# KiCad board poly_kb_molecule_16x5.kicad_pcb (continued)
## Routing (per net, layer and track width the routed paths; a pad name or vN(x,y) marks a point on that pad's centre or on a via; arc(x,y) is an arc through that point) (continued)
/Keyboard/sheet605ED2EB/LED_DIN: length 2020.9
  Top w0.254: 36.83,30.58 36.3,31.1 v1(35,31.1) ; v1(50.64,55.51) 50.51,55.51 50.29,55.74 49.39,55.74 48.99,56.13 ; 93.98,87.72 93.46,88.25 v1(92.15,88.25) ; v1(69.69,17.41) 69.56,17.41 69.34,17.64 68.44,17.64 68.04,18.03 ; v1(23.01,29.76) 20.88,29.76 J3#28.4 ; J3#43.4 154.23,67.86 v1(156.36,67.86) ; v1(69.69,55.51) 69.56,55.51 69.34,55.74 68.44,55.74 68.04,56.13 ; v1(126.84,55.51) 126.71,55.51 126.49,55.74 125.59,55.74 125.19,56.13 ; 48.99,94.23 49.39,93.84 50.29,93.84 50.51,93.61 v1(50.64,93.61) ; LED1#57.2 103.31,54.35 v1(102.4,54.35) ; v1(273.85,54.35) 274.75,54.35 LED1#14.2 ; 29.94,75.19 30.34,74.79 31.24,74.79 31.46,74.56 v1(31.59,74.56) ; v1(118.26,29.76) 116.13,29.76 J3#49.4 ; 239.49,94.23 239.89,93.84 240.79,93.84 241.01,93.61 v1(241.14,93.61) ; 170.18,49.62 169.66,50.15 v1(168.35,50.15) ; 208.28,68.67 207.75,69.2 v1(206.45,69.2) ; v1(15.95,88.25) 17.25,88.25 17.78,87.72 ; v1(137.31,86.91) 135.18,86.91 J3#51.4 ; v1(159.55,35.3) 160.46,35.3 LED1#39.2 ; 227.33,49.62 226.81,50.15 v1(225.5,50.15) ; v1(140.5,92.45) 141.41,92.45 LED1#9.2 ; J3#30.4 20.88,67.86 v1(23.01,67.86) ; LED1#58.2 236.65,16.25 v1(235.75,16.25) ; J3#58.4 39.93,29.76 v1(42.06,29.76) ; v1(80.16,48.81) 78.03,48.81 J3#79.4 ; J3#19.4 230.43,67.86 v1(232.56,67.86) ; 182.34,37.08 182.74,36.69 183.64,36.69 183.86,36.46 v1(183.99,36.46) ; 144.24,94.23 144.64,93.84 145.54,93.84 145.76,93.61 v1(145.89,93.61) ; v1(130.25,31.1) 131.56,31.1 132.08,30.58 ; v1(12.54,17.41) 12.41,17.41 12.19,17.64 11.29,17.64 10.89,18.03 ; 296.64,75.19 297.04,74.79 297.94,74.79 298.16,74.56 v1(298.29,74.56) ; v1(203.04,93.61) 202.91,93.61 202.69,93.84 201.79,93.84 201.39,94.23 ; v1(42.06,86.91) 39.93,86.91 J3#77.4 ; 36.83,68.67 36.3,69.2 v1(35,69.2) ; J3#64.4 154.23,48.81 v1(156.36,48.81) ; 87.09,37.08 87.49,36.69 88.39,36.69 88.61,36.46 v1(88.74,36.46) ; v1(137.31,10.71) 135.18,10.71 J3#66.4 ; LED1#24.2 198.56,73.4 v1(197.65,73.4) ; LED1#37.2 141.41,35.3 v1(140.5,35.3) ; v1(31.59,55.51) 31.46,55.51 31.24,55.74 30.34,55.74 29.94,56.13 ; v1(187.4,50.15) 188.71,50.15 189.23,49.62 ; LED1#41.2 65.2,92.45 v1(64.3,92.45) ; 201.39,37.08 201.79,36.69 202.69,36.69 202.91,36.46 v1(203.04,36.46) ; v1(232.56,86.91) 230.43,86.91 J3#13.4 ; v1(168.35,12.05) 169.66,12.05 170.18,11.53 ; v1(270.66,29.76) 268.53,29.76 J3#37.4 ; 220.44,37.08 220.84,36.69 221.74,36.69 221.96,36.46 v1(222.09,36.46) ; J3#34.4 268.53,48.81 v1(270.66,48.81) ; v1(73.1,88.25) 74.41,88.25 74.93,87.72 ; v1(35,50.15) 36.3,50.15 36.83,49.62 ; 106.14,56.13 106.54,55.74 107.44,55.74 107.66,55.51 v1(107.79,55.51) ; 246.38,68.67 245.86,69.2 v1(244.55,69.2) ; v1(213.51,86.91) 211.38,86.91 J3#70.4 ; v1(183.99,93.61) 183.86,93.61 183.64,93.84 182.74,93.84 182.34,94.23 ; v1(194.46,10.71) 192.33,10.71 J3#16.4 ; J3#6.4 20.88,48.81 v1(23.01,48.81) ; LED1#11.2 65.2,54.35 v1(64.3,54.35) ; v1(183.99,74.56) 183.86,74.56 183.64,74.79 182.74,74.79 182.34,75.19 ; 189.23,68.67 188.71,69.2 v1(187.4,69.2) ; 163.29,56.13 163.69,55.74 164.59,55.74 164.81,55.51 v1(164.94,55.51) ; LED1#10.2 103.31,16.25 v1(102.4,16.25) ; v1(279.24,36.46) 279.11,36.46 278.89,36.69 277.99,36.69 277.59,37.08 ; v1(156.36,29.76) 154.23,29.76 J3#8.4 ; v1(7.15,92.45) 8.05,92.45 LED1.2 ; 74.93,30.58 74.41,31.1 v1(73.1,31.1) ; v1(156.36,86.91) 154.23,86.91 J3#23.4 ; 74.93,11.53 74.41,12.05 v1(73.1,12.05) ; 189.23,11.53 188.71,12.05 v1(187.4,12.05) ; 258.54,37.08 258.94,36.69 259.84,36.69 260.06,36.46 v1(260.19,36.46) ; J3#71.4 154.23,10.71 v1(156.36,10.71) ; v1(222.09,74.56) 221.96,74.56 221.74,74.79 220.84,74.79 220.44,75.19 ; v1(159.55,73.4) 160.46,73.4 LED1#7.2 ; v1(26.2,35.3) 27.1,35.3 LED1#43.2 ; v1(213.51,10.71) 211.38,10.71 J3#54.4 ; LED1#42.2 217.6,35.3 v1(216.7,35.3) ; v1(61.11,10.71) 58.98,10.71 J3#52.4 ; v1(241.14,36.46) 241.01,36.46 240.79,36.69 239.89,36.69 239.49,37.08 ; v1(292.9,35.3) 293.81,35.3 LED1#18.2 ; v1(251.61,48.81) 249.48,48.81 J3#80.4 ; v1(175.41,29.76) 173.28,29.76 J3#35.4 ; v1(178.6,73.4) 179.5,73.4 LED1#51.2 ; v1(159.55,16.25) 160.46,16.25 LED1#40.2 ; v1(92.15,12.05) 93.46,12.05 93.98,11.53 ; J3#20.4 1.83,48.81 v1(3.96,48.81) ; J3#69.4 135.18,48.81 v1(137.31,48.81) ; v1(301.7,12.05) 303,12.05 303.53,11.53 ; v1(178.6,54.35) 179.5,54.35 LED1#78.2 ; v1(137.31,29.76) 135.18,29.76 J3#11.4 ; 17.78,49.62 17.25,50.15 v1(15.95,50.15) ; 113.03,11.53 112.5,12.05 v1(111.2,12.05) ; 151.13,68.67 150.6,69.2 v1(149.3,69.2) ; 258.54,56.13 258.94,55.74 259.84,55.74 260.06,55.51 v1(260.19,55.51) ; v1(83.35,35.3) 84.25,35.3 LED1#36.2 ; 208.28,30.58 207.75,31.1 v1(206.45,31.1) ; v1(222.09,55.51) 221.96,55.51 221.74,55.74 220.84,55.74 220.44,56.13 ; LED1#34.2 8.05,16.25 v1(7.15,16.25) ; 284.48,11.53 283.95,12.05 v1(282.65,12.05) ; J3#39.4 211.38,67.86 v1(213.51,67.86) ; J3#45.4 58.98,86.91 v1(61.11,86.91) ; 68.04,94.23 68.44,93.84 69.34,93.84 69.56,93.61 v1(69.69,93.61) ; v1(31.59,36.46) 31.46,36.46 31.24,36.69 30.34,36.69 29.94,37.08 ; LED1#61.2 217.6,16.25 v1(216.7,16.25) ; LED1#48.2 274.75,16.25 v1(273.85,16.25) ; v1(251.61,67.86) 249.48,67.86 J3#72.4 ; LED1#76.2 179.5,16.25 v1(178.6,16.25) ; v1(298.29,36.46) 298.16,36.46 297.94,36.69 297.04,36.69 296.64,37.08 ; J3#53.4 192.33,86.91 v1(194.46,86.91) ; LED1#71.2 8.05,73.4 v1(7.15,73.4) ; v1(145.89,17.41) 145.76,17.41 145.54,17.64 144.64,17.64 144.24,18.03 ; v1(197.65,92.45) 198.56,92.45 LED1#65.2 ; LED1#75.2 236.65,35.3 v1(235.75,35.3) ; v1(83.35,16.25) 84.25,16.25 LED1#3.2 ; v1(194.46,48.81) 192.33,48.81 J3#24.4 ; v1(61.11,48.81) 58.98,48.81 J3#46.4 ; v1(292.9,16.25) 293.81,16.25 LED1#20.2 ; v1(254.8,35.3) 255.7,35.3 LED1#6.2 ; v1(244.55,31.1) 245.86,31.1 246.38,30.58 ; v1(118.26,86.91) 116.13,86.91 J3#65.4 ; v1(194.46,67.86) 192.33,67.86 J3#76.4 ; v1(80.16,86.91) 78.03,86.91 J3#32.4 ; LED1#28.2 141.41,54.35 v1(140.5,54.35) ; 163.29,75.19 163.69,74.79 164.59,74.79 164.81,74.56 v1(164.94,74.56) ; v1(3.96,67.86) 1.83,67.86 J3#31.4 ; v1(206.45,50.15) 207.75,50.15 208.28,49.62 ; v1(216.7,54.35) 217.6,54.35 LED1#54.2 ; LED1#52.2 122.35,35.3 v1(121.45,35.3) ; LED1#80.2 27.1,92.45 v1(26.2,92.45) ; v1(183.99,17.41) 183.86,17.41 183.64,17.64 182.74,17.64 182.34,18.03 ; v1(126.84,36.46) 126.71,36.46 126.49,36.69 125.59,36.69 125.19,37.08 ; LED1#59.2 198.56,16.25 v1(197.65,16.25) ; v1(15.95,69.2) 17.25,69.2 17.78,68.67 ; LED1#17.2 179.5,35.3 v1(178.6,35.3) ; v1(149.3,88.25) 150.6,88.25 151.13,87.72 ; v1(168.35,69.2) 169.66,69.2 170.18,68.67 ; 74.93,68.67 74.41,69.2 v1(73.1,69.2) ; 113.03,49.62 112.5,50.15 v1(111.2,50.15) ; J3#36.4 173.28,48.81 v1(175.41,48.81) ; 17.78,30.58 17.25,31.1 v1(15.95,31.1) ; v1(45.25,16.25) 46.16,16.25 LED1#33.2 ; 208.28,87.72 207.75,88.25 v1(206.45,88.25) ; LED1#60.2 160.46,92.45 v1(159.55,92.45) ; v1(260.19,17.41) 260.06,17.41 259.84,17.64 258.94,17.64 258.54,18.03 ; 87.09,18.03 87.49,17.64 88.39,17.64 88.61,17.41 v1(88.74,17.41) ; 93.98,30.58 93.46,31.1 v1(92.15,31.1) ; 265.43,11.53 264.9,12.05 v1(263.6,12.05) ; v1(298.29,17.41) 298.16,17.41 297.94,17.64 297.04,17.64 296.64,18.03 ; v1(203.04,55.51) 202.91,55.51 202.69,55.74 201.79,55.74 201.39,56.13 ; J3#41.4 135.18,67.86 v1(137.31,67.86) ; LED1#72.2 236.65,92.45 v1(235.75,92.45) ; v1(251.61,10.71) 249.48,10.71 J3#5.4 ; 106.14,75.19 106.54,74.79 107.44,74.79 107.66,74.56 v1(107.79,74.56) ; v1(121.45,92.45) 122.35,92.45 LED1#56.2 ; LED1#45.2 46.16,92.45 v1(45.25,92.45) ; v1(26.2,16.25) 27.1,16.25 LED1#74.2 ; 106.14,37.08 106.54,36.69 107.44,36.69 107.66,36.46 v1(107.79,36.46) ; v1(203.04,17.41) 202.91,17.41 202.69,17.64 201.79,17.64 201.39,18.03 ; 36.83,11.53 36.3,12.05 v1(35,12.05) ; v1(64.3,35.3) 65.2,35.3 LED1#4.2 ; v1(42.06,10.71) 39.93,10.71 J3#9.4 ; v1(3.96,86.91) 1.83,86.91 J3.4 ; LED1#47.2 255.7,92.45 v1(254.8,92.45) ; v1(178.6,92.45) 179.5,92.45 LED1#30.2 ; LED1#38.2 141.41,73.4 v1(140.5,73.4) ; v1(31.59,93.61) 31.46,93.61 31.24,93.84 30.34,93.84 29.94,94.23 ; 125.19,75.19 125.59,74.79 126.49,74.79 126.71,74.56 v1(126.84,74.56) ; LED1#16.2 103.31,92.45 v1(102.4,92.45) ; 68.04,37.08 68.44,36.69 69.34,36.69 69.56,36.46 v1(69.69,36.46) ; v1(99.21,86.91) 97.08,86.91 J3#73.4 ; v1(263.6,50.15) 264.9,50.15 265.43,49.62 ; J3#40.4 20.88,86.91 v1(23.01,86.91) ; v1(99.21,48.81) 97.08,48.81 J3#55.4 ; v1(80.16,29.76) 78.03,29.76 J3#12.4 ; v1(244.55,88.25) 245.86,88.25 246.38,87.72 ; v1(12.54,36.46) 12.41,36.46 12.19,36.69 11.29,36.69 10.89,37.08 ; v1(83.35,92.45) 84.25,92.45 LED1#73.2 ; v1(194.46,29.76) 192.33,29.76 J3#63.4 ; v1(270.66,86.91) 268.53,86.91 J3#15.4 ; 239.49,75.19 239.89,74.79 240.79,74.79 241.01,74.56 v1(241.14,74.56) ; v1(92.15,69.2) 93.46,69.2 93.98,68.67 ; v1(118.26,10.71) 116.13,10.71 J3#25.4 ; v1(118.26,67.86) 116.13,67.86 J3#2.4 ; LED1#25.2 274.75,73.4 v1(273.85,73.4) ; 258.54,94.23 258.94,93.84 259.84,93.84 260.06,93.61 v1(260.19,93.61) ; v1(263.6,69.2) 264.9,69.2 265.43,68.67 ; 265.43,30.58 264.9,31.1 v1(263.6,31.1) ; v1(45.25,54.35) 46.16,54.35 LED1#77.2 ; v1(145.89,36.46) 145.76,36.46 145.54,36.69 144.64,36.69 144.24,37.08 ; v1(175.41,86.91) 173.28,86.91 J3#68.4 ; 239.49,18.03 239.89,17.64 240.79,17.64 241.01,17.41 v1(241.14,17.41) ; J3#21.4 58.98,67.86 v1(61.11,67.86) ; v1(270.66,10.71) 268.53,10.71 J3#10.4 ; J3#29.4 1.83,10.71 v1(3.96,10.71) ; v1(301.7,31.1) 303,31.1 303.53,30.58 ; v1(54.05,88.25) 55.36,88.25 55.88,87.72 ; 265.43,87.72 264.9,88.25 v1(263.6,88.25) ; J3#7.4 116.13,48.81 v1(118.26,48.81) ; v1(88.74,55.51) 88.61,55.51 88.39,55.74 87.49,55.74 87.09,56.13 ; 284.48,30.58 283.95,31.1 v1(282.65,31.1) ; 220.44,94.23 220.84,93.84 221.74,93.84 221.96,93.61 v1(222.09,93.61) ; J3#14.4 211.38,29.76 v1(213.51,29.76) ; v1(83.35,73.4) 84.25,73.4 LED1#53.2 ; J3#27.4 78.03,67.86 v1(80.16,67.86) ; LED1#22.2 217.6,73.4 v1(216.7,73.4) ; 29.94,18.03 30.34,17.64 31.24,17.64 31.46,17.41 v1(31.59,17.41) ; 227.33,30.58 226.81,31.1 v1(225.5,31.1) ; v1(289.71,67.86) 287.58,67.86 J3#75.4 ; 277.59,56.13 277.99,55.74 278.89,55.74 279.11,55.51 v1(279.24,55.51) ; LED1#64.2 46.16,73.4 v1(45.25,73.4) ; 132.08,49.62 131.56,50.15 v1(130.25,50.15) ; v1(232.56,48.81) 230.43,48.81 J3#56.4 ; v1(130.25,88.25) 131.56,88.25 132.08,87.72 ; v1(121.45,73.4) 122.35,73.4 LED1#5.2 ; 36.83,87.72 36.3,88.25 v1(35,88.25) ; v1(73.1,50.15) 74.41,50.15 74.93,49.62 ; v1(279.24,93.61) 279.11,93.61 278.89,93.84 277.99,93.84 277.59,94.23 ; v1(54.05,12.05) 55.36,12.05 55.88,11.53 ; J3#48.4 249.48,29.76 v1(251.61,29.76) ; J3#44.4 230.43,29.76 v1(232.56,29.76) ; 201.39,75.19 201.79,74.79 202.69,74.79 202.91,74.56 v1(203.04,74.56) ; v1(279.24,17.41) 279.11,17.41 278.89,17.64 277.99,17.64 277.59,18.03 ; LED1#66.2 255.7,73.4 v1(254.8,73.4) ; J3#3.4 173.28,10.71 v1(175.41,10.71) ; v1(244.55,12.05) 245.86,12.05 246.38,11.53 ; 144.24,56.13 144.64,55.74 145.54,55.74 145.76,55.51 v1(145.89,55.51) ; v1(168.35,88.25) 169.66,88.25 170.18,87.72 ; v1(99.21,29.76) 97.08,29.76 J3#42.4 ; v1(225.5,69.2) 226.81,69.2 227.33,68.67 ; v1(187.4,88.25) 188.71,88.25 189.23,87.72 ; LED1#13.2 27.1,54.35 v1(26.2,54.35) ; v1(102.4,35.3) 103.31,35.3 LED1#23.2 ; v1(50.64,74.56) 50.51,74.56 50.29,74.79 49.39,74.79 48.99,75.19 ; 10.89,56.13 11.29,55.74 12.19,55.74 12.41,55.51 v1(12.54,55.51) ; 163.29,18.03 163.69,17.64 164.59,17.64 164.81,17.41 v1(164.94,17.41) ; v1(159.55,54.35) 160.46,54.35 LED1#35.2 ; v1(251.61,86.91) 249.48,86.91 J3#61.4 ; 303.53,49.62 303,50.15 v1(301.7,50.15) ; J3#17.4 78.03,10.71 v1(80.16,10.71) ; 55.88,49.62 55.36,50.15 v1(54.05,50.15) ; v1(126.84,93.61) 126.71,93.61 126.49,93.84 125.59,93.84 125.19,94.23 ; LED1#21.2 8.05,54.35 v1(7.15,54.35) ; v1(54.05,69.2) 55.36,69.2 55.88,68.67 ; 48.99,18.03 49.39,17.64 50.29,17.64 50.51,17.41 v1(50.64,17.41) ; v1(289.71,29.76) 287.58,29.76 J3#4.4 ; 239.49,56.13 239.89,55.74 240.79,55.74 241.01,55.51 v1(241.14,55.51) ; 106.14,18.03 106.54,17.64 107.44,17.64 107.66,17.41 v1(107.79,17.41) ; J3#59.4 39.93,67.86 v1(42.06,67.86) ; 296.64,94.23 297.04,93.84 297.94,93.84 298.16,93.61 v1(298.29,93.61) ; 284.48,68.67 283.95,69.2 v1(282.65,69.2) ; v1(15.95,12.05) 17.25,12.05 17.78,11.53 ; 258.54,75.19 258.94,74.79 259.84,74.79 260.06,74.56 v1(260.19,74.56) ; v1(244.55,50.15) 245.86,50.15 246.38,49.62 ; v1(292.9,73.4) 293.81,73.4 LED1#46.2 ; 113.03,68.67 112.5,69.2 v1(111.2,69.2) ; v1(102.4,73.4) 103.31,73.4 LED1#49.2 ; LED1#63.2 293.81,54.35 v1(292.9,54.35) ; LED1#19.2 141.41,16.25 v1(140.5,16.25) ; v1(213.51,48.81) 211.38,48.81 J3#47.4 ; 189.23,30.58 188.71,31.1 v1(187.4,31.1) ; 227.33,87.72 226.81,88.25 v1(225.5,88.25) ; 151.13,30.58 150.6,31.1 v1(149.3,31.1) ; LED1#69.2 274.75,92.45 v1(273.85,92.45) ; v1(197.65,54.35) 198.56,54.35 LED1#50.2 ; v1(126.84,17.41) 126.71,17.41 126.49,17.64 125.59,17.64 125.19,18.03 ; 55.88,30.58 55.36,31.1 v1(54.05,31.1) ; 48.99,37.08 49.39,36.69 50.29,36.69 50.51,36.46 v1(50.64,36.46) ; LED1#2.2 122.35,54.35 v1(121.45,54.35) ; v1(292.9,92.45) 293.81,92.45 LED1#29.2 ; 182.34,56.13 182.74,55.74 183.64,55.74 183.86,55.51 v1(183.99,55.51) ; J3#18.4 287.58,10.71 v1(289.71,10.71) ; 151.13,49.62 150.6,50.15 v1(149.3,50.15) ; v1(64.3,16.25) 65.2,16.25 LED1#55.2 ; J3#50.4 20.88,10.71 v1(23.01,10.71) ; 284.48,87.72 283.95,88.25 v1(282.65,88.25) ; 93.98,49.62 93.46,50.15 v1(92.15,50.15) ; v1(164.94,36.46) 164.81,36.46 164.59,36.69 163.69,36.69 163.29,37.08 ; LED1#31.2 236.65,73.4 v1(235.75,73.4) ; 284.48,49.62 283.95,50.15 v1(282.65,50.15) ; v1(301.7,69.2) 303,69.2 303.53,68.67 ; v1(99.21,67.86) 97.08,67.86 J3#74.4 ; LED1#68.2 217.6,92.45 v1(216.7,92.45) ; J3#67.4 97.08,10.71 v1(99.21,10.71) ; 113.03,87.72 112.5,88.25 v1(111.2,88.25) ; 68.04,75.19 68.44,74.79 69.34,74.79 69.56,74.56 v1(69.69,74.56) ; 132.08,68.67 131.56,69.2 v1(130.25,69.2) ; v1(232.56,10.71) 230.43,10.71 J3#38.4 ; v1(12.54,93.61) 12.41,93.61 12.19,93.84 11.29,93.84 10.89,94.23 ; 10.89,75.19 11.29,74.79 12.19,74.79 12.41,74.56 v1(12.54,74.56) ; v1(279.24,74.56) 279.11,74.56 278.89,74.79 277.99,74.79 277.59,75.19 ; 113.03,30.58 112.5,31.1 v1(111.2,31.1) ; v1(45.25,35.3) 46.16,35.3 LED1#26.2 ; v1(42.06,48.81) 39.93,48.81 J3#22.4 ; J3#57.4 1.83,29.76 v1(3.96,29.76) ; v1(254.8,54.35) 255.7,54.35 LED1#70.2 ; LED1#12.2 84.25,54.35 v1(83.35,54.35) ; J3#26.4 173.28,67.86 v1(175.41,67.86) ; v1(301.7,88.25) 303,88.25 303.53,87.72 ; 144.24,75.19 144.64,74.79 145.54,74.79 145.76,74.56 v1(145.89,74.56) ; 296.64,56.13 297.04,55.74 297.94,55.74 298.16,55.51 v1(298.29,55.51) ; v1(130.25,12.05) 131.56,12.05 132.08,11.53 ; 151.13,11.53 150.6,12.05 v1(149.3,12.05) ; J3#60.4 268.53,67.86 v1(270.66,67.86) ; v1(7.15,35.3) 8.05,35.3 LED1#32.2 ; J3#62.4 287.58,86.91 v1(289.71,86.91) ; v1(107.79,93.61) 107.66,93.61 107.44,93.84 106.54,93.84 106.14,94.23 ; v1(225.5,12.05) 226.81,12.05 227.33,11.53 ; v1(88.74,74.56) 88.61,74.56 88.39,74.79 87.49,74.79 87.09,75.19 ; LED1#27.2 122.35,16.25 v1(121.45,16.25) ; LED1#44.2 255.7,16.25 v1(254.8,16.25) ; 170.18,30.58 169.66,31.1 v1(168.35,31.1) ; 163.29,94.23 163.69,93.84 164.59,93.84 164.81,93.61 v1(164.94,93.61) ; v1(289.71,48.81) 287.58,48.81 J3#33.4 ; 208.28,11.53 207.75,12.05 v1(206.45,12.05) ; LED1#15.2 198.56,35.3 v1(197.65,35.3) ; LED1#79.2 27.1,73.4 v1(26.2,73.4) ; v1(88.74,93.61) 88.61,93.61 88.39,93.84 87.49,93.84 87.09,94.23 ; 220.44,18.03 220.84,17.64 221.74,17.64 221.96,17.41 v1(222.09,17.41) ; J3#78.4 58.98,29.76 v1(61.11,29.76) ; v1(273.85,35.3) 274.75,35.3 LED1#8.2 ; v1(235.75,54.35) 236.65,54.35 LED1#62.2 ; v1(64.3,73.4) 65.2,73.4 LED1#67.2
  Top w1.5: J4#66.4 J3#61.4 ; J3#70.4 J4#49.4 ; J3#75.4 J4#37.4 ; J4#46.4 J3#76.4 ; J4#51.4 J3#10.4 ; J3#18.4 J4#41.4 ; J4#21.4 J3#6.4 ; J4.4 J3#40.4 ; J3#38.4 J4#69.4 ; J4#36.4 J3#8.4 ; J4#59.4 J3#13.4 ; J4#24.4 J3#56.4 ; J4#60.4 J3#15.4 ; J4#63.4 J3#55.4 ; J4#55.4 J3#68.4 ; J3#47.4 J4#50.4 ; J4#14.4 J3#43.4 ; J3#11.4 J4#5.4 ; J3#51.4 J4#45.4 ; J4#70.4 J3#28.4 ; J4#78.4 J3#26.4 ; J4#6.4 J3#80.4 ; J4#74.4 J3#48.4 ; J3#52.4 J4#73.4 ; J4#39.4 J3#60.4 ; J3#69.4 J4#23.4 ; J4#58.4 J3#23.4 ; J4#13.4 J3#44.4 ; J4#3.4 J3#36.4 ; J4#10.4 J3#49.4 ; J4#4.4 J3#19.4 ; J4#77.4 J3#71.4 ; J3#54.4 J4#15.4 ; J4#28.4 J3#3.4 ; J3#21.4 J4#42.4 ; J4#68.4 J3#35.4 ; J3#62.4 J4#27.4 ; J3#39.4 J4#9.4 ; J4#67.4 J3#58.4 ; J3#46.4 J4#8.4 ; J4#79.4 J3#77.4 ; J4#11.4 J3#27.4 ; J3#45.4 J4#53.4 ; J4#57.4 J3#74.4 ; J4#26.4 J3#32.4 ; J3#17.4 J4#25.4 ; J4#18.4 J3#34.4 ; J4#56.4 J3#12.4 ; J4#33.4 J3#7.4 ; J4#72.4 J3#30.4 ; J4#62.4 J3#16.4 ; J4#52.4 J3#22.4 ; J3#66.4 J4#12.4 ; J4#7.4 J3#24.4 ; J4#29.4 J3#59.4 ; J3#14.4 J4#35.4 ; J4#22.4 J3#67.4 ; J4#38.4 J3#5.4 ; J3#33.4 J4#71.4 ; J4#54.4 J3#72.4 ; J3#78.4 J4#76.4 ; J4#30.4 J3#73.4 ; J4#40.4 J3#9.4 ; J4#16.4 J3#2.4 ; J4#65.4 J3#63.4 ; J4#48.4 J3#79.4 ; J3#41.4 J4#20.4 ; J4#43.4 J3#53.4 ; J3#4.4 J4#64.4 ; J4#34.4 J3#65.4 ; J4#17.4 J3#50.4 ; J4#32.4 J3#37.4 ; J4#44.4 J3#25.4 ; J3#64.4 J4#61.4 ; J4#47.4 J3#42.4
  Bottom w0.254: v1(3.96,67.86) 3.96,68.41 4.45,68.9 4.45,71.95 5.57,73.07 6.82,73.07 v1(7.15,73.4) ; v1(92.15,31.1) 91.94,31.31 91.94,34.7 90.4,36.24 88.96,36.24 v1(88.74,36.46) ; v1(301.7,31.1) 301.49,31.31 301.49,34.7 299.95,36.24 298.51,36.24 v1(298.29,36.46) ; v1(156.36,86.91) 156.36,87.46 156.85,87.95 156.85,91 157.97,92.12 159.22,92.12 v1(159.55,92.45) ; v1(273.85,92.45) 273.52,92.12 272.27,92.12 271.15,91 271.15,87.95 270.66,87.46 v1(270.66,86.91) ; v1(118.26,86.91) 118.26,87.46 118.75,87.95 118.75,91 119.87,92.12 121.12,92.12 v1(121.45,92.45) ; v1(232.56,10.71) 232.56,11.26 233.05,11.75 233.05,14.8 234.17,15.92 235.42,15.92 v1(235.75,16.25) ; v1(292.9,54.35) 292.57,54.02 291.32,54.02 290.2,52.9 290.2,49.85 289.71,49.36 v1(289.71,48.81) ; v1(213.51,10.71) 213.51,11.26 214,11.75 214,14.8 215.12,15.92 216.37,15.92 v1(216.7,16.25) ; v1(183.99,93.61) 184.21,93.39 185.65,93.39 187.19,91.85 187.19,88.46 v1(187.4,88.25) ; v1(175.41,67.86) 175.41,68.41 175.9,68.9 175.9,71.95 177.02,73.07 178.27,73.07 v1(178.6,73.4) ; v1(73.1,69.2) 72.89,69.41 72.89,72.8 71.35,74.34 69.91,74.34 v1(69.69,74.56) ; v1(7.15,54.35) 6.82,54.02 5.57,54.02 4.45,52.9 4.45,49.85 3.96,49.36 v1(3.96,48.81) ; v1(203.04,74.56) 203.26,74.34 204.7,74.34 206.24,72.8 206.24,69.41 v1(206.45,69.2) ; v1(35,88.25) 34.79,88.46 34.79,91.85 33.25,93.39 31.81,93.39 v1(31.59,93.61) ; v1(50.64,74.56) 50.86,74.34 52.3,74.34 53.84,72.8 53.84,69.41 v1(54.05,69.2) ; v1(23.01,29.76) 23.01,30.31 23.5,30.8 23.5,33.85 24.62,34.97 25.87,34.97 v1(26.2,35.3) ; v1(50.64,93.61) 50.86,93.39 52.3,93.39 53.84,91.85 53.84,88.46 v1(54.05,88.25) ; v1(69.69,36.46) 69.91,36.24 71.35,36.24 72.89,34.7 72.89,31.31 v1(73.1,31.1) ; v1(83.35,73.4) 83.02,73.07 81.77,73.07 80.65,71.95 80.65,68.9 80.16,68.41 v1(80.16,67.86) ; v1(83.35,54.35) 83.02,54.02 81.77,54.02 80.65,52.9 80.65,49.85 80.16,49.36 v1(80.16,48.81) ; v1(298.29,55.51) 298.51,55.29 299.95,55.29 301.49,53.75 301.49,50.36 v1(301.7,50.15) ; v1(107.79,17.41) 108.01,17.19 109.45,17.19 110.99,15.65 110.99,12.26 v1(111.2,12.05) ; v1(149.3,50.15) 149.09,50.36 149.09,53.75 147.55,55.29 146.11,55.29 v1(145.89,55.51) ; v1(216.7,35.3) 216.37,34.97 215.12,34.97 214,33.85 214,30.8 213.51,30.31 v1(213.51,29.76) ; v1(225.5,50.15) 225.29,50.36 225.29,53.75 223.75,55.29 222.31,55.29 v1(222.09,55.51) ; v1(175.41,86.91) 175.41,87.46 175.9,87.95 175.9,91 177.02,92.12 178.27,92.12 v1(178.6,92.45) ; v1(126.84,17.41) 127.06,17.19 128.5,17.19 130.04,15.65 130.04,12.26 v1(130.25,12.05) ; v1(225.5,88.25) 225.29,88.46 225.29,91.85 223.75,93.39 222.31,93.39 v1(222.09,93.61) ; v1(175.41,10.71) 175.41,11.26 175.9,11.75 175.9,14.8 177.02,15.92 178.27,15.92 v1(178.6,16.25) ; v1(222.09,36.46) 222.31,36.24 223.75,36.24 225.29,34.7 225.29,31.31 v1(225.5,31.1) ; v1(42.06,86.91) 42.06,87.46 42.55,87.95 42.55,91 43.67,92.12 44.92,92.12 v1(45.25,92.45) ; v1(45.25,54.35) 44.92,54.02 43.67,54.02 42.55,52.9 42.55,49.85 42.06,49.36 v1(42.06,48.81) ; v1(282.65,12.05) 282.44,12.26 282.44,15.65 280.9,17.19 279.46,17.19 v1(279.24,17.41) ; v1(7.15,92.45) 6.82,92.12 5.57,92.12 4.45,91 4.45,87.95 3.96,87.46 v1(3.96,86.91) ; v1(301.7,88.25) 301.49,88.46 301.49,91.85 299.95,93.39 298.51,93.39 v1(298.29,93.61) ; v1(183.99,74.56) 184.21,74.34 185.65,74.34 187.19,72.8 187.19,69.41 v1(187.4,69.2) ; v1(73.1,50.15) 72.89,50.36 72.89,53.75 71.35,55.29 69.91,55.29 v1(69.69,55.51) ; v1(80.16,86.91) 80.16,87.46 80.65,87.95 80.65,91 81.77,92.12 83.02,92.12 v1(83.35,92.45) ; v1(149.3,69.2) 149.09,69.41 149.09,72.8 147.55,74.34 146.11,74.34 v1(145.89,74.56) ; v1(12.54,17.41) 12.76,17.19 14.2,17.19 15.74,15.65 15.74,12.26 v1(15.95,12.05) ; v1(270.66,10.71) 270.66,11.26 271.15,11.75 271.15,14.8 272.27,15.92 273.52,15.92 v1(273.85,16.25) ; v1(206.45,50.15) 206.24,50.36 206.24,53.75 204.7,55.29 203.26,55.29 v1(203.04,55.51) ; v1(12.54,55.51) 12.76,55.29 14.2,55.29 15.74,53.75 15.74,50.36 v1(15.95,50.15) ; v1(159.55,16.25) 159.22,15.92 157.97,15.92 156.85,14.8 156.85,11.75 156.36,11.26 v1(156.36,10.71) ; v1(92.15,88.25) 91.94,88.46 91.94,91.85 90.4,93.39 88.96,93.39 v1(88.74,93.61) ; v1(263.6,88.25) 263.39,88.46 263.39,91.85 261.85,93.39 260.41,93.39 v1(260.19,93.61) ; v1(273.85,35.3) 273.52,34.97 272.27,34.97 271.15,33.85 271.15,30.8 270.66,30.31 v1(270.66,29.76) ; v1(206.45,31.1) 206.24,31.31 206.24,34.7 204.7,36.24 203.26,36.24 v1(203.04,36.46) ; v1(137.31,10.71) 137.31,11.26 137.8,11.75 137.8,14.8 138.92,15.92 140.17,15.92 v1(140.5,16.25) ; v1(279.24,93.61) 279.46,93.39 280.9,93.39 282.44,91.85 282.44,88.46 v1(282.65,88.25) ; v1(279.24,55.51) 279.46,55.29 280.9,55.29 282.44,53.75 282.44,50.36 v1(282.65,50.15) ; v1(194.46,10.71) 194.46,11.26 194.95,11.75 194.95,14.8 196.07,15.92 197.32,15.92 v1(197.65,16.25) ; v1(107.79,55.51) 108.01,55.29 109.45,55.29 110.99,53.75 110.99,50.36 v1(111.2,50.15) ; v1(61.11,67.86) 61.11,68.41 61.6,68.9 61.6,71.95 62.72,73.07 63.97,73.07 v1(64.3,73.4) ; v1(3.96,10.71) 3.96,11.26 4.45,11.75 4.45,14.8 5.57,15.92 6.82,15.92 v1(7.15,16.25) ; v1(213.51,86.91) 213.51,87.46 214,87.95 214,91 215.12,92.12 216.37,92.12 v1(216.7,92.45) ; v1(99.21,10.71) 99.21,11.26 99.7,11.75 99.7,14.8 100.82,15.92 102.07,15.92 v1(102.4,16.25) ; v1(99.21,29.76) 99.21,30.31 99.7,30.8 99.7,33.85 100.82,34.97 102.07,34.97 v1(102.4,35.3) ; v1(178.6,54.35) 178.27,54.02 177.02,54.02 175.9,52.9 175.9,49.85 175.41,49.36 v1(175.41,48.81) ; v1(194.46,86.91) 194.46,87.46 194.95,87.95 194.95,91 196.07,92.12 197.32,92.12 v1(197.65,92.45) ; v1(203.04,93.61) 203.26,93.39 204.7,93.39 206.24,91.85 206.24,88.46 v1(206.45,88.25) ; v1(289.71,86.91) 289.71,87.46 290.2,87.95 290.2,91 291.32,92.12 292.57,92.12 v1(292.9,92.45) ; v1(145.89,36.46) 146.11,36.24 147.55,36.24 149.09,34.7 149.09,31.31 v1(149.3,31.1) ; v1(111.2,88.25) 110.99,88.46 110.99,91.85 109.45,93.39 108.01,93.39 v1(107.79,93.61) ; v1(31.59,74.56) 31.81,74.34 33.25,74.34 34.79,72.8 34.79,69.41 v1(35,69.2) ; v1(92.15,69.2) 91.94,69.41 91.94,72.8 90.4,74.34 88.96,74.34 v1(88.74,74.56) ; v1(42.06,29.76) 42.06,30.31 42.55,30.8 42.55,33.85 43.67,34.97 44.92,34.97 v1(45.25,35.3) ; v1(260.19,36.46) 260.41,36.24 261.85,36.24 263.39,34.7 263.39,31.31 v1(263.6,31.1) ; v1(137.31,67.86) 137.31,68.41 137.8,68.9 137.8,71.95 138.92,73.07 140.17,73.07 v1(140.5,73.4) ; v1(168.35,88.25) 168.14,88.46 168.14,91.85 166.6,93.39 165.16,93.39 v1(164.94,93.61) ; v1(12.54,93.61) 12.76,93.39 14.2,93.39 15.74,91.85 15.74,88.46 v1(15.95,88.25) ; v1(126.84,93.61) 127.06,93.39 128.5,93.39 130.04,91.85 130.04,88.46 v1(130.25,88.25) ; v1(194.46,67.86) 194.46,68.41 194.95,68.9 194.95,71.95 196.07,73.07 197.32,73.07 v1(197.65,73.4) ; v1(50.64,17.41) 50.86,17.19 52.3,17.19 53.84,15.65 53.84,12.26 v1(54.05,12.05) ; v1(102.4,73.4) 102.07,73.07 100.82,73.07 99.7,71.95 99.7,68.9 99.21,68.41 v1(99.21,67.86) ; v1(194.46,29.76) 194.46,30.31 194.95,30.8 194.95,33.85 196.07,34.97 197.32,34.97 v1(197.65,35.3) ; v1(273.85,73.4) 273.52,73.07 272.27,73.07 271.15,71.95 271.15,68.9 270.66,68.41 v1(270.66,67.86) ; v1(178.6,35.3) 178.27,34.97 177.02,34.97 175.9,33.85 175.9,30.8 175.41,30.31 v1(175.41,29.76) ; v1(15.95,31.1) 15.74,31.31 15.74,34.7 14.2,36.24 12.76,36.24 v1(12.54,36.46) ; v1(254.8,92.45) 254.47,92.12 253.22,92.12 252.1,91 252.1,87.95 251.61,87.46 v1(251.61,86.91) ; v1(168.35,12.05) 168.14,12.26 168.14,15.65 166.6,17.19 165.16,17.19 v1(164.94,17.41) ; v1(156.36,29.76) 156.36,30.31 156.85,30.8 156.85,33.85 157.97,34.97 159.22,34.97 v1(159.55,35.3) ; v1(145.89,93.61) 146.11,93.39 147.55,93.39 149.09,91.85 149.09,88.46 v1(149.3,88.25) ; v1(183.99,36.46) 184.21,36.24 185.65,36.24 187.19,34.7 187.19,31.31 v1(187.4,31.1) ; v1(69.69,17.41) 69.91,17.19 71.35,17.19 72.89,15.65 72.89,12.26 v1(73.1,12.05) ; v1(235.75,73.4) 235.42,73.07 234.17,73.07 233.05,71.95 233.05,68.9 232.56,68.41 v1(232.56,67.86) ; v1(137.31,86.91) 137.31,87.46 137.8,87.95 137.8,91 138.92,92.12 140.17,92.12 v1(140.5,92.45) ; v1(168.35,31.1) 168.14,31.31 168.14,34.7 166.6,36.24 165.16,36.24 v1(164.94,36.46) ; v1(121.45,54.35) 121.12,54.02 119.87,54.02 118.75,52.9 118.75,49.85 118.26,49.36 v1(118.26,48.81) ; v1(235.75,92.45) 235.42,92.12 234.17,92.12 233.05,91 233.05,87.95 232.56,87.46 v1(232.56,86.91) ; v1(107.79,36.46) 108.01,36.24 109.45,36.24 110.99,34.7 110.99,31.31 v1(111.2,31.1) ; v1(301.7,12.05) 301.49,12.26 301.49,15.65 299.95,17.19 298.51,17.19 v1(298.29,17.41) ; v1(64.3,54.35) 63.97,54.02 62.72,54.02 61.6,52.9 61.6,49.85 61.11,49.36 v1(61.11,48.81) ; v1(292.9,73.4) 292.57,73.07 291.32,73.07 290.2,71.95 290.2,68.9 289.71,68.41 v1(289.71,67.86) ; v1(254.8,16.25) 254.47,15.92 253.22,15.92 252.1,14.8 252.1,11.75 251.61,11.26 v1(251.61,10.71) ; v1(26.2,92.45) 25.87,92.12 24.62,92.12 23.5,91 23.5,87.95 23.01,87.46 v1(23.01,86.91) ; v1(61.11,10.71) 61.11,11.26 61.6,11.75 61.6,14.8 62.72,15.92 63.97,15.92 v1(64.3,16.25) ; v1(118.26,10.71) 118.26,11.26 118.75,11.75 118.75,14.8 119.87,15.92 121.12,15.92 v1(121.45,16.25) ; v1(88.74,55.51) 88.96,55.29 90.4,55.29 91.94,53.75 91.94,50.36 v1(92.15,50.15) ; v1(216.7,54.35) 216.37,54.02 215.12,54.02 214,52.9 214,49.85 213.51,49.36 v1(213.51,48.81) ; v1(241.14,74.56) 241.36,74.34 242.8,74.34 244.34,72.8 244.34,69.41 v1(244.55,69.2) ; v1(145.89,17.41) 146.11,17.19 147.55,17.19 149.09,15.65 149.09,12.26 v1(149.3,12.05) ; v1(130.25,31.1) 130.04,31.31 130.04,34.7 128.5,36.24 127.06,36.24 v1(126.84,36.46) ; v1(263.6,50.15) 263.39,50.36 263.39,53.75 261.85,55.29 260.41,55.29 v1(260.19,55.51) ; v1(35,50.15) 34.79,50.36 34.79,53.75 33.25,55.29 31.81,55.29 v1(31.59,55.51) ; v1(241.14,93.61) 241.36,93.39 242.8,93.39 244.34,91.85 244.34,88.46 v1(244.55,88.25) ; v1(26.2,16.25) 25.87,15.92 24.62,15.92 23.5,14.8 23.5,11.75 23.01,11.26 v1(23.01,10.71) ; v1(183.99,55.51) 184.21,55.29 185.65,55.29 187.19,53.75 187.19,50.36 v1(187.4,50.15) ; v1(168.35,50.15) 168.14,50.36 168.14,53.75 166.6,55.29 165.16,55.29 v1(164.94,55.51) ; v1(15.95,69.2) 15.74,69.41 15.74,72.8 14.2,74.34 12.76,74.34 v1(12.54,74.56) ; v1(126.84,74.56) 127.06,74.34 128.5,74.34 130.04,72.8 130.04,69.41 v1(130.25,69.2) ; v1(241.14,55.51) 241.36,55.29 242.8,55.29 244.34,53.75 244.34,50.36 v1(244.55,50.15) ; v1(279.24,74.56) 279.46,74.34 280.9,74.34 282.44,72.8 282.44,69.41 v1(282.65,69.2) ; v1(232.56,48.81) 232.56,49.36 233.05,49.85 233.05,52.9 234.17,54.02 235.42,54.02 v1(235.75,54.35) ; v1(298.29,74.56) 298.51,74.34 299.95,74.34 301.49,72.8 301.49,69.41 v1(301.7,69.2) ; v1(251.61,67.86) 251.61,68.41 252.1,68.9 252.1,71.95 253.22,73.07 254.47,73.07 v1(254.8,73.4) ; v1(279.24,36.46) 279.46,36.24 280.9,36.24 282.44,34.7 282.44,31.31 v1(282.65,31.1) ; v1(3.96,29.76) 3.96,30.31 4.45,30.8 4.45,33.85 5.57,34.97 6.82,34.97 v1(7.15,35.3) ; v1(31.59,17.41) 31.81,17.19 33.25,17.19 34.79,15.65 34.79,12.26 v1(35,12.05) ; v1(140.5,54.35) 140.17,54.02 138.92,54.02 137.8,52.9 137.8,49.85 137.31,49.36 v1(137.31,48.81) ; v1(64.3,92.45) 63.97,92.12 62.72,92.12 61.6,91 61.6,87.95 61.11,87.46 v1(61.11,86.91) ; v1(23.01,48.81) 23.01,49.36 23.5,49.85 23.5,52.9 24.62,54.02 25.87,54.02 v1(26.2,54.35) ; v1(140.5,35.3) 140.17,34.97 138.92,34.97 137.8,33.85 137.8,30.8 137.31,30.31 v1(137.31,29.76) ; v1(54.05,50.15) 53.84,50.36 53.84,53.75 52.3,55.29 50.86,55.29 v1(50.64,55.51) ; v1(244.55,12.05) 244.34,12.26 244.34,15.65 242.8,17.19 241.36,17.19 v1(241.14,17.41) ; v1(31.59,36.46) 31.81,36.24 33.25,36.24 34.79,34.7 34.79,31.31 v1(35,31.1) ; v1(213.51,67.86) 213.51,68.41 214,68.9 214,71.95 215.12,73.07 216.37,73.07 v1(216.7,73.4) ; v1(80.16,29.76) 80.16,30.31 80.65,30.8 80.65,33.85 81.77,34.97 83.02,34.97 v1(83.35,35.3) ; v1(69.69,93.61) 69.91,93.39 71.35,93.39 72.89,91.85 72.89,88.46 v1(73.1,88.25) ; v1(107.79,74.56) 108.01,74.34 109.45,74.34 110.99,72.8 110.99,69.41 v1(111.2,69.2) ; v1(99.21,48.81) 99.21,49.36 99.7,49.85 99.7,52.9 100.82,54.02 102.07,54.02 v1(102.4,54.35) ; v1(263.6,69.2) 263.39,69.41 263.39,72.8 261.85,74.34 260.41,74.34 v1(260.19,74.56) ; v1(80.16,10.71) 80.16,11.26 80.65,11.75 80.65,14.8 81.77,15.92 83.02,15.92 v1(83.35,16.25) ; v1(203.04,17.41) 203.26,17.19 204.7,17.19 206.24,15.65 206.24,12.26 v1(206.45,12.05) ; v1(273.85,54.35) 273.52,54.02 272.27,54.02 271.15,52.9 271.15,49.85 270.66,49.36 v1(270.66,48.81) ; v1(159.55,73.4) 159.22,73.07 157.97,73.07 156.85,71.95 156.85,68.9 156.36,68.41 v1(156.36,67.86) ; v1(235.75,35.3) 235.42,34.97 234.17,34.97 233.05,33.85 233.05,30.8 232.56,30.31 v1(232.56,29.76) ; v1(222.09,17.41) 222.31,17.19 223.75,17.19 225.29,15.65 225.29,12.26 v1(225.5,12.05) ; v1(292.9,35.3) 292.57,34.97 291.32,34.97 290.2,33.85 290.2,30.8 289.71,30.31 v1(289.71,29.76) ; v1(45.25,73.4) 44.92,73.07 43.67,73.07 42.55,71.95 42.55,68.9 42.06,68.41 v1(42.06,67.86) ; v1(289.71,10.71) 289.71,11.26 290.2,11.75 290.2,14.8 291.32,15.92 292.57,15.92 v1(292.9,16.25) ; v1(254.8,35.3) 254.47,34.97 253.22,34.97 252.1,33.85 252.1,30.8 251.61,30.31 v1(251.61,29.76) ; v1(222.09,74.56) 222.31,74.34 223.75,74.34 225.29,72.8 225.29,69.41 v1(225.5,69.2) ; v1(260.19,17.41) 260.41,17.19 261.85,17.19 263.39,15.65 263.39,12.26 v1(263.6,12.05) ; v1(164.94,74.56) 165.16,74.34 166.6,74.34 168.14,72.8 168.14,69.41 v1(168.35,69.2) ; v1(50.64,36.46) 50.86,36.24 52.3,36.24 53.84,34.7 53.84,31.31 v1(54.05,31.1) ; v1(197.65,54.35) 197.32,54.02 196.07,54.02 194.95,52.9 194.95,49.85 194.46,49.36 v1(194.46,48.81) ; v1(61.11,29.76) 61.11,30.31 61.6,30.8 61.6,33.85 62.72,34.97 63.97,34.97 v1(64.3,35.3) ; v1(45.25,16.25) 44.92,15.92 43.67,15.92 42.55,14.8 42.55,11.75 42.06,11.26 v1(42.06,10.71) ; v1(244.55,31.1) 244.34,31.31 244.34,34.7 242.8,36.24 241.36,36.24 v1(241.14,36.46) ; v1(121.45,35.3) 121.12,34.97 119.87,34.97 118.75,33.85 118.75,30.8 118.26,30.31 v1(118.26,29.76) ; v1(156.36,48.81) 156.36,49.36 156.85,49.85 156.85,52.9 157.97,54.02 159.22,54.02 v1(159.55,54.35) ; v1(121.45,73.4) 121.12,73.07 119.87,73.07 118.75,71.95 118.75,68.9 118.26,68.41 v1(118.26,67.86) ; v1(26.2,73.4) 25.87,73.07 24.62,73.07 23.5,71.95 23.5,68.9 23.01,68.41 v1(23.01,67.86) ; v1(251.61,48.81) 251.61,49.36 252.1,49.85 252.1,52.9 253.22,54.02 254.47,54.02 v1(254.8,54.35) ; v1(187.4,12.05) 187.19,12.26 187.19,15.65 185.65,17.19 184.21,17.19 v1(183.99,17.41) ; v1(130.25,50.15) 130.04,50.36 130.04,53.75 128.5,55.29 127.06,55.29 v1(126.84,55.51) ; v1(88.74,17.41) 88.96,17.19 90.4,17.19 91.94,15.65 91.94,12.26 v1(92.15,12.05) ; v1(102.4,92.45) 102.07,92.12 100.82,92.12 99.7,91 99.7,87.95 99.21,87.46 v1(99.21,86.91)